# Altium PCB OZ440-SE100-CAR003.PcbDoc (part 2 of 5)
Units mm, origin at the board's own origin, x right, y up, seen from the top; angles counter-clockwise.
Board outline 187.5 x 145 mm, 6 copper layers (Top Layer, Mid-Layer 1, Mid-Layer 2, Mid-Layer 3, Mid-Layer 4, Bottom Layer), stack 1.444 mm thick; 326 components, 302 nets, 1483 pads, 1041 vias.
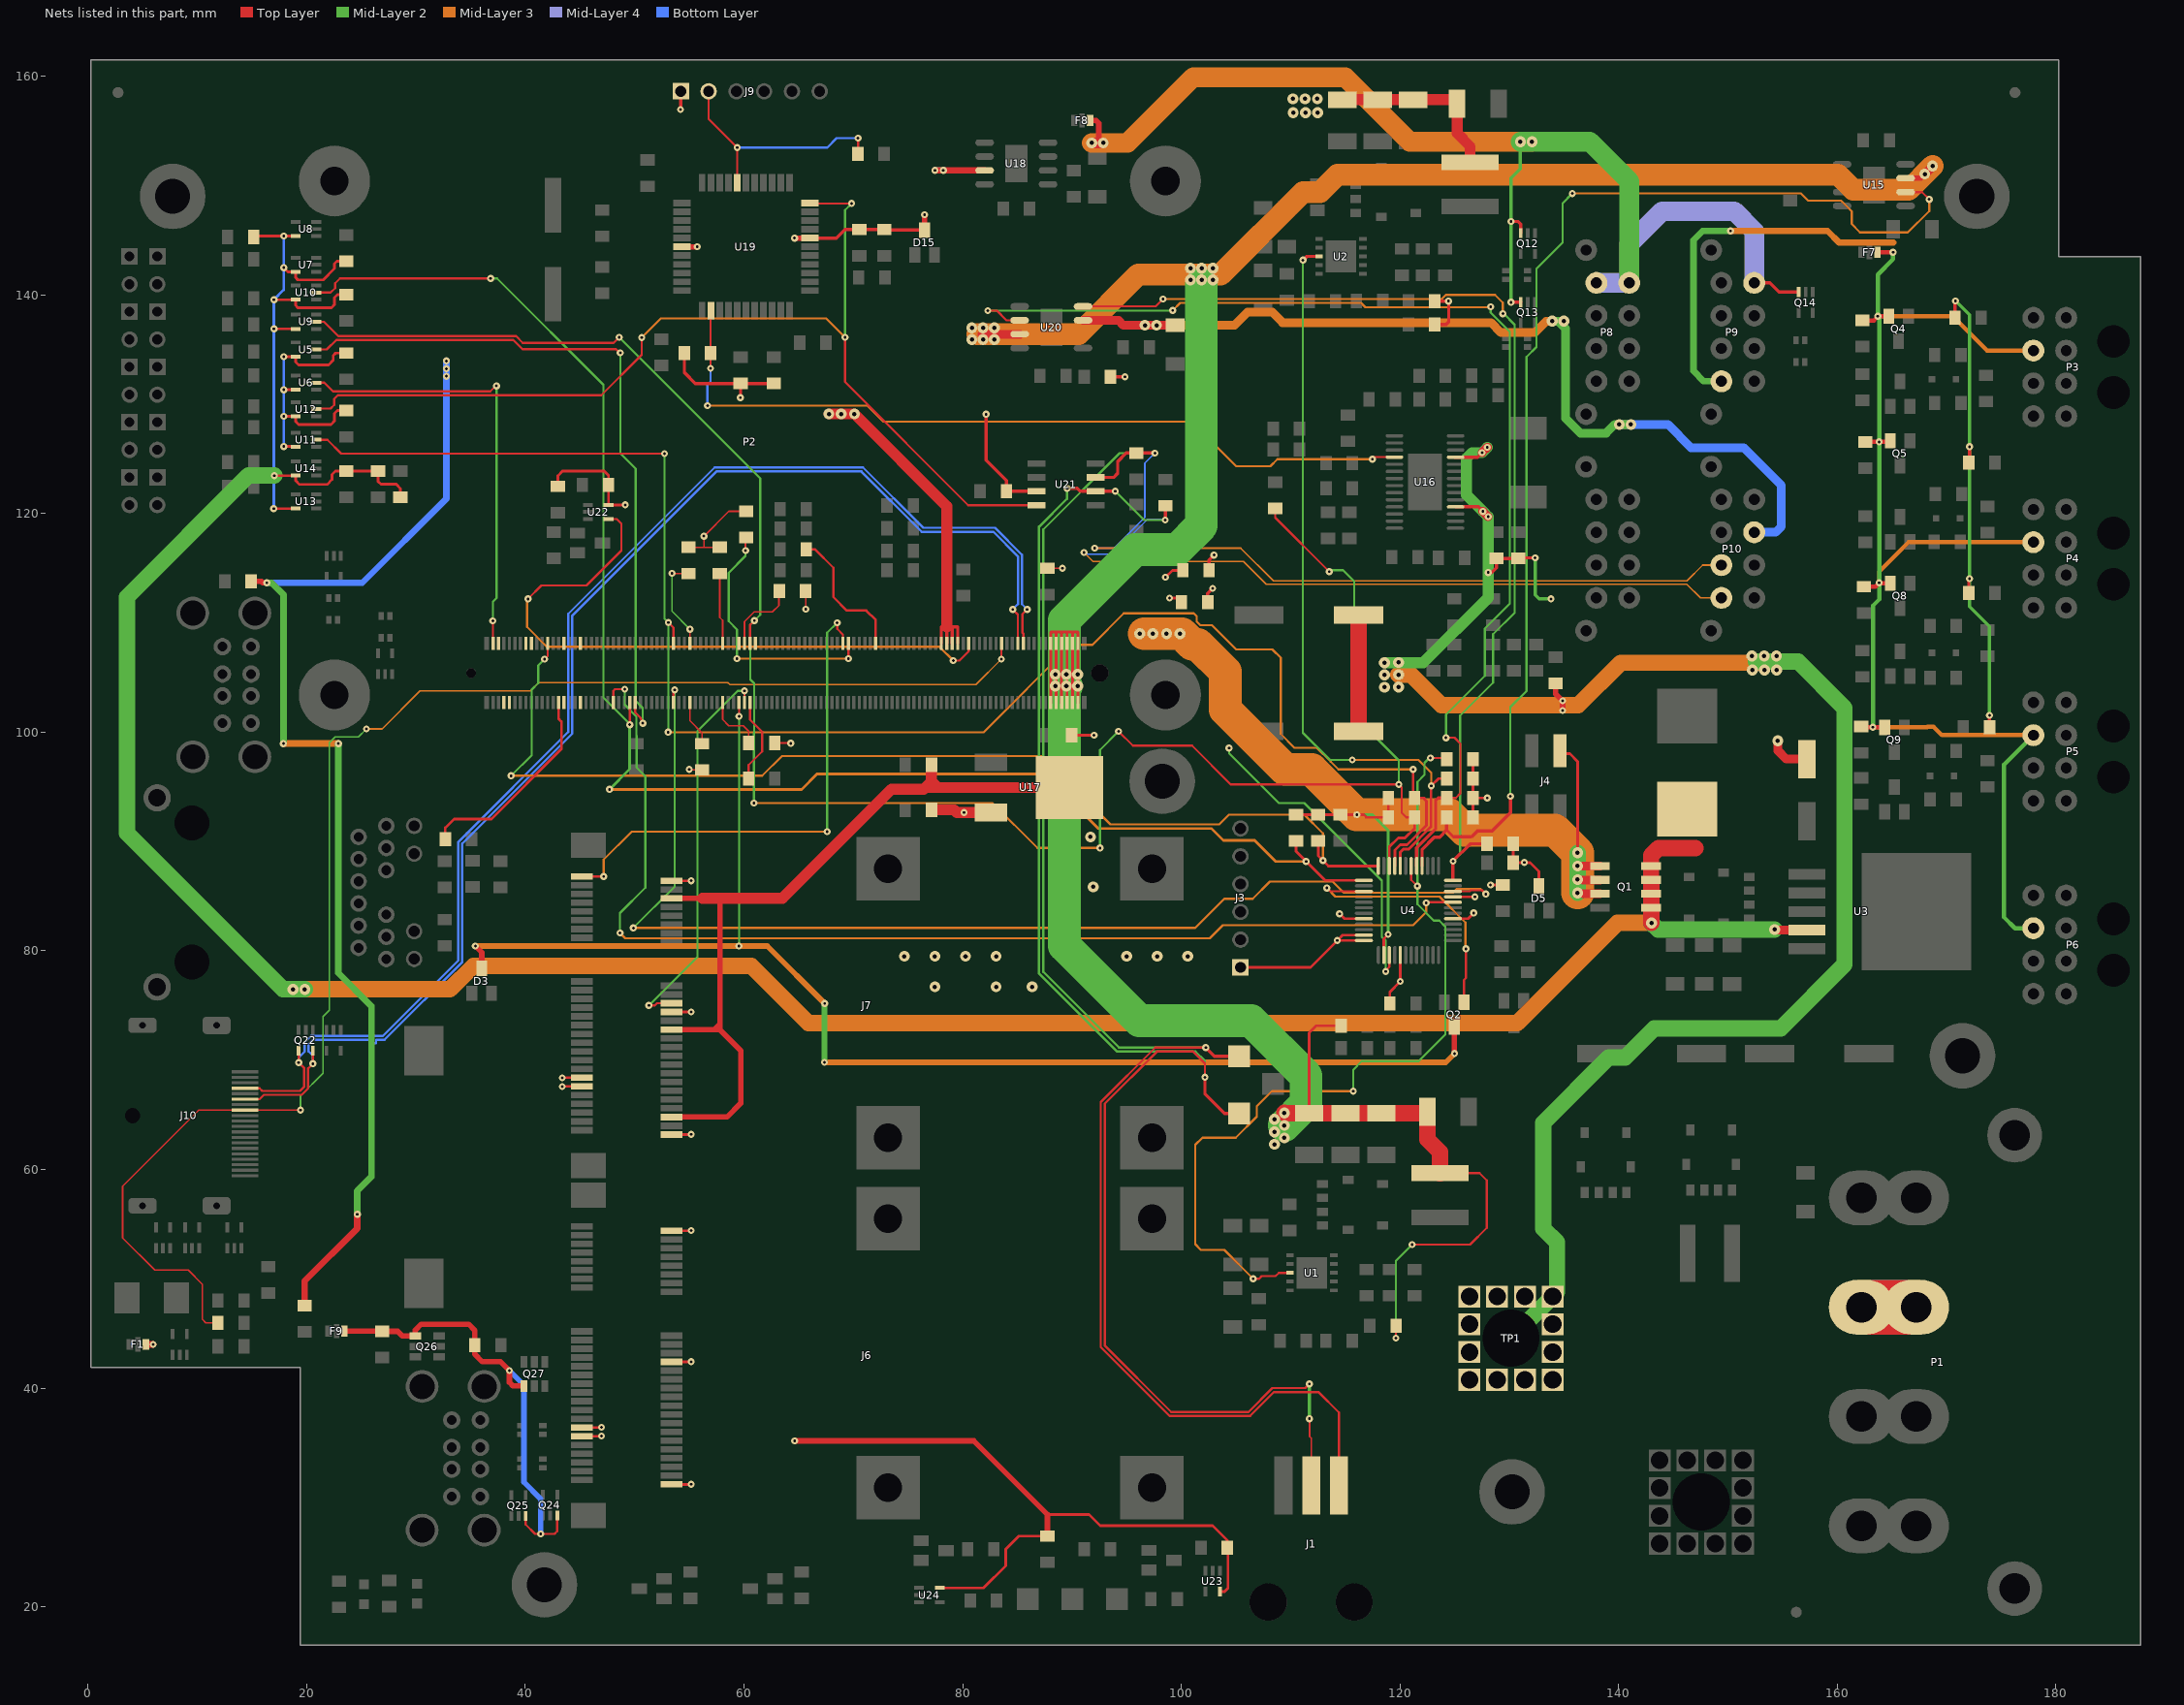
[diagram p6: the nets of this part, all layers, seen from the top]

## Part data
C1 C2 C3 C12 C13 C14 C23 C24 C25: library part C3216X7S2A225Kxxx, "1206 2.2uF / 100V X7S ceramic capacitor"
C4 C15 C27 C28 C29 C30 C31 C32 C33 C34 C35 C36 C37 C44 C47 C48 C49 C54 C55 C59 C62 C63 C66 C67 C68 C69 C70 C71 C72 C73 C74 C75 C78 C79 C80 C81: library part VJ0805Y104KXAxx, "0805 100nF / 50V  X7R ceramic capacitor"
C5 C6 C7 C8 C16 C17 C18 C19: library part 1210YC226KAT2A, "1210 22uF / 16V X7R ceramic capacitor"
C9 C10 C21 C45 C51 C52 C53: library part VJ0805Y103KXAxx, "0805 10nF / 50V X7R ceramic capacitor"
C11 C22: library part C0805C330J5GACxx, "0805 33pF / 50V COG ceramic capacitor"
C20: library part C0805C682J5GACxx, "0805 6.8nF / 50V COG ceramic capacitor"
C26: library part B41142A4227M, "220uF/16V Aluminium capacitor SMD"
C38 C56 C64: library part C1206C106K3RACxx, "1206 10uF / 25V X7R ceramic capacitor"
C39 C57 C65: library part C0805C105K4RACxx, "0805 1uF / 16V X7R ceramic capacitor"
C40 C41 C42 C43: library part VJ0805Y102KXBxx, "0805 1nF / 100V X7R ceramic capacitor"
C46 C50 C76 C77: library part EEE2AA330P, "33uF / 100V Aluminium capacitor SMD"
C58 C60: library part C0805C150J5GACxx, "0805 15pF / 50V COG ceramic capacitor"
C61: library part C0805C106K9PACxx, "0805 10uF / 6.3V X5R ceramic capacitor"
Cent1 Cent2 Cent3: library part "SMD centering pad", "SMD centering pad"
D1 D2 D4 D19 D20: library part MBR5100MFS, "Power shottky Diode"
D3 D5 D15: library part BAS16, "100V / 120mA signal  diode"
D6 D8 D9 D10: library part WP934MD/2YD, "Dual Yellow led indicator"
D7: library part WP934MD/2GD, "Dual green led indicator"
D11 D12 D13 D14: library part BZX384C4V7, "4.7V zener diode"
D16: library part MBRS140, "1A/40V shottky diode in SMB package"
D17 D18: library part KP-1608SGC, "SMD Green LED 0603"
F1 F7 F8 F9: library part NFM18PC225B0J3, "2A LC filter"
F2 F3 F4 F5: library part MF-PSMF050X-2, "0805 500mA resettable fuse"
F6: library part "MC12CT 004", "1206 4A 63V temporisé"
J1: library part 0015913033, "3 pin , 2.54mm SMD header"
J2: library part 1081, "20mm battery Holder, SMT"
J3 J9: library part 68000-406HLF, "6P, 1 row, 2.54mm header"
J4: library part 1241050-2, "4P, 2 rows, 2.54mm header"
J5: library part JK0654218Z, "Gigabit ethernet xformer with connector"
J6 J7: library part 67910-0002, "miniPCI / mSATA connector"
J8 J11: library part 72309-8044BLF, "Dual USB Type A connector"
J10: library part DP1RD20JQ1, "Display port PCB connector"
L1 L11: library part XAL6060-153ME, "15uH SMD inductor"
L2: library part XAL6060-822ME, "8.2uH SMD inductor"
L3: library part MSS1260-334KL, "330uH SMD inductor"
L4 L5 L6 L7 L8 L9 L10: library part EXC34CE900, "USB common mode inductor"
P1: library part 42820-4213, "4 pin power connector, RA"
P2: library part 3-1827253-6, "type 10 com express connector"
P3 P4 P5 P6: library part 43045-0801, "8 pin Microfit connector"
P7 P8 P9 P10: library part 43045-0812, "8 pin Microfit connector"
Q1: library part IRF7821PBF, "11A N channel MOSFET in SO08 package"
Q2 Q3 Q6 Q7 Q10 Q11 Q23 Q28 Q29 Q30 Q31: library part 2N7002, "N-Channel Enhancement Mode Field Effect Transistor"
Q4 Q5 Q8 Q9: library part BSS84, "P-Channel Enhancement Mode Field Effect Transistor"
Q12 Q13 Q14 Q15 Q16 Q17 Q18 Q19 Q20 Q21 Q22 Q24 Q25: library part SP3003-02JTG, "Low capacitance ESD TVS"
Q26 Q27: library part IRMLS6702TRPBF, "2A P channel MOSFET in MICRO6 package"
R1 R2 R3 R5 R9 R12 R13 R14 R15 R16 R17 R18 R19 R21 R22 R23 R26 R27 R28 R29 R42 R50 R57 R60 R63 R64 R66 R68 R69 R70 R71 R72 R81 R82 R85 R87 R88 R89 R90 R92 R93 R94 R95 R103 R106 R107 R108: library part CRCW080510K0FKxx, "10k Ohm 0805 SMD resistor"
R4: library part CRCW0805140KFKxx, "140k Ohm 0805 SMD resistor"
R6 R10: library part CRCW0805160KFKxx, "160k Ohm 0805 SMD resistor"
R7 R67: library part CRCW080516K2FKxx, "16k2 Ohm 0805 SMD resistor"
R8: library part CRCW080553K6FKxx, "53k6 Ohm 0805 SMD resistor"
R11: library part CRCW080513K3FKxx, "13k3 Ohm 0805 SMD resistor"
R20: library part CRCW08054K70FKxx, "4,7k Ohm 0805 SMD resistor"
R24 R25 R74 R83 R84 R100 R113: library part CRCW08051K00FKxx, "1k Ohm 0805 SMD resistor"
R30 R31 R32 R33 R34 R35 R36 R37 R38 R39 R40 R48 R53 R58 R61 R97 R99 R105 R114: library part CRCW080559R0FKxx, "59 Ohm 0805 SMD resistor"
R41: library part CRCW08050000Z0xx, "0 Ohm 0805 SMD resistor"
R43: library part CRCW0805220KFKxx, "220k Ohm 0805 SMD resistor"
R44 R45 R46 R47 R49 R51 R52 R54 R55 R56 R59 R62 R76 R79 R80: library part CRCW080520K0FKxx, "20k Ohm 0805 SMD resistor"
R65 R101: library part CRCW08051M00FKxx, "1Mohm 1% 0805 SMD resistor"
R73: library part CRM2512-JX-R200ELF, "0.2R 1% 2512 SMD resistor"
R75 R77 R78 R96 R104 R111 R112: library part CRCW0805100KFKxx, "100k Ohm 0805 SMD resistor"
R86: library part CRCW0805330KFKxx, "330k Ohm 0805 SMD resistor"
R91 R98 R109 R110 R115: library part CRCW0805300RFKxx, "300 ohm 0805 SMD resistor"
R102: library part CRCW08055M11FKxx, "5.11Meg Ohm 0805 SMD resistor"
RX TP5 TP6 TP7 TP_GND_CAN TX: library part "SMD Pad", "SMD Pad for wire soldering"
SN1: library part "Serial Number", "serial number copper identification"
Stack-up: library part "6 Layers Stackup", "6 Layers Stackup identification"
TP1 TP2: library part 7460408, "Bush with threaded hole M5"
U1 U2: library part TPS54361DPRx, "4.5-V to 60-V Input, 3.5-A, Step Down DC-DC Converter"
U3: library part TL2575HV-33-Q1, "1-A SIMPLE STEP-DOWN VOLTAGE REGULATOR"
U4: library part ispPAC-POWR1014A-01TN48I, "ispPAC power manager"
U5 U6 U7 U8 U9 U10 U11 U12 U13 U14 U22 U23 U24: library part 74LVC1G14GW, "smith trigger inverter"
U15 U18 U20: library part TPS2421-2DDA, "20V-5A Hot plug controller with integrated FET, auto retry"
U16: library part DRV8842PWPR, "DC MOTOR DRIVER IC"
U17: library part NCP1117DT15RKG, "1.0 A Low-Dropout Positive Voltage Regulators"
U19: library part PIC18F45K80-I/PT, "Pic microcontroller with embeded CAN controller"
U21: library part MCP2561-E/SN, "CAN transceiver with common mode stabilisation"
Y1: library part ABLS2-16.000MHZ-D4Y-T, "16Mhz Crystal / low profile 3.3mm"

## Free pads (board coordinates)
  round 6 hole 3.2: 0(7.754,149.01) 0(41.754,22.01) 0(98.254,95.51) 0(130.254,30.51) 0(171.45,70.403) 0(172.754,149.01)

## Via types
v1: diameter 0.65, hole 0.25, Top Layer to Bottom Layer, tented both sides, 815 vias
v2: diameter 1, hole 0.4, Top Layer to Bottom Layer, tented both sides, 222 vias
v3: diameter 1.1, hole 1.1, Top Layer to Bottom Layer, tented both sides, 2 vias
v4: diameter 1.6, hole 1.6, Top Layer to Bottom Layer, tented both sides, 2 vias

## Nets (pads, with @x,y where several pads share a name; then routed paths per layer and width w, separated by ;. In a path a pad name is that pad's centre, name@x,y a point inside that pad or via, vN(x,y) a via of type N, cw(c..) or ccw(c..) an arc to the next point about the centre after c; other vN are vias at no path point)
1V5: C55.2 J7.6 J7.28 J7.48 U17.4 | length 75.3
  Top Layer w0.5: J7.48@53.376,64.803 58.453,64.803 59.715,66.065 59.715,70.871 57.81,72.776 ; J7.28@53.376,72.803 57.302,72.803 ; J7.6@53.376,84.803 56.203,84.803 ; 57.81,84.803 57.81,73.311 ; 57.302,72.803 57.783,72.803 57.81,72.776 ; 57.302,72.803 57.81,73.311 ; 57.81,72.776 57.81,73.311
  Top Layer w1: 56.203,84.803 57.81,84.803 63.518,84.803 73.508,94.793 76.435,94.793 76.581,94.939 ; C55.2@77.146,97.019 77.146,95.504 ; U17.4@89.775,94.939 77.711,94.939 ; 76.581,94.939 77.146,95.504 ; 76.581,94.939 77.711,94.939 ; 77.146,95.504 77.711,94.939
  other v2: 77.47,76.708 83.058,76.708 86.36,76.708 74.676,79.502 77.47,79.502 80.264,79.502 83.058,79.502 94.996,79.502 97.79,79.502 100.584,79.502 91.948,85.852 91.694,90.424
5V_EN: R16.2 U2.3 U4.8 | length 69.8
  Top Layer w0.25: U4.8@120.027,87.768 120.027,89.02 120.32,89.313 120.809,89.313 122.834,91.338 122.834,95.072 v1(122.86,95.098) 123.52,95.758 R16.2@124.276,95.758
  Top Layer w0.3: v1(111.125,143.18) 111.15,143.18 111.492,143.521 U2.3@112.605,143.521
  Mid-Layer 2 w0.2: v1(111.125,143.18) 111.125,99.949 113.614,97.46 v1(115.646,97.46)
  Mid-Layer 3 w0.2: v1(115.646,97.46) 121.691,97.46 122.86,96.291 v1(122.86,95.098)
5V_USB: F8.2 P8.1 P8.5 P9.1 Q12.3 Q13.3 Q14.3 | length 116.6
  Top Layer w0.3: v1(130.16,139.319) 130.16,139.344 130.172,139.332 Q13.3@131.045,139.332 ; v1(130.16,146.71) 130.81,146.71 131.045,146.475 Q12.3@131.045,145.654 ; P9.1@152.4,141.097 153.848,141.097 154.686,140.259 Q14.3@156.459,140.259
  Top Layer w0.5: F8.2@91.657,155.956 92.202,155.956 92.456,155.702 92.456,154.013 92.342,153.899 92.329,153.886
  Top Layer w1: v2(91.821,153.899) 92.342,153.899 v2(92.862,153.899)
  Mid-Layer 2 w0.3: v1(130.16,139.319) v1(130.16,146.71) 130.16,150.683 131.013,151.536 v2(131.013,154)
  Mid-Layer 2 w1.8: v2(131.013,154) v2(132.08,154) 137.363,154 140.97,150.393 P8.1@140.97,141.097
  Mid-Layer 3 w1.8: v2(91.821,153.899) v2(92.862,153.899) 95.098,153.899 101.092,159.893 114.986,159.893 120.879,154 v2(131.013,154) v2(132.08,154)
  Mid-Layer 4 w1.8: P8.5@137.97,141.097 P8.1@140.97,141.097 140.97,144.653 143.967,147.65 150.571,147.65 152.4,145.821 P9.1@152.4,141.097
12V_CAN: C64.2 P10.2 U20.7 | length 89.3
  Top Layer w0.8: U20.7@91.017,137.674 94.253,137.674 94.707,137.221 v2(96.672,137.221) v2(97.739,137.221) C64.2@99.441,137.221
  Mid-Layer 2 w0.8: v2(133.934,137.592) 134.468,137.592 ; v2(135.001,137.592) 134.468,137.592 ; v2(141.122,128.143) v2(140.056,128.143) 139.649,128.143 138.862,127.356 136.509,127.356 135.128,128.736 135.128,136.931 134.468,137.592
  Mid-Layer 3 w0.8: v2(96.672,137.221) v2(97.739,137.221) 104.864,137.221 106.073,138.43 108.306,138.43 109.271,137.465 128.321,137.465 129.235,136.55 132.334,136.55 133.375,137.592 v2(133.934,137.592) v2(135.001,137.592)
  Bottom Layer w0.8: v2(140.056,128.143) v2(141.122,128.143) 144.501,128.143 146.623,126.021 151.435,126.021 154.889,122.566 154.889,118.821 154.353,118.285 P10.2@152.4,118.285
12V_CAN_EN: R18.2 U4.5 U20.2 | length 107.8
  Top Layer w0.2: v1(82.296,138.549) 83.142,138.549 84.017,137.675 U20.2@85.217,137.675 ; v1(124.206,99.492) 124.993,99.492 125.527,98.958 125.527,94.412 125.095,93.98 R18.2@124.276,93.98
  Top Layer w0.3: U4.5@121.527,87.768 121.527,89.43 123.259,91.162 123.259,93.745 123.495,93.98 R18.2@124.276,93.98
  Mid-Layer 2 w0.2: v1(82.296,138.549) 99.212,138.549 v1(99.212,138.582) ; v1(124.206,99.492) 124.206,101.6 127.762,105.156 127.762,109.483 130.048,111.769 130.048,136.627 128.295,138.379 v1(128.295,138.913) v1@128.27,138.887
  Mid-Layer 3 w0.2: v1(99.212,138.582) 99.898,139.268 116.434,139.268 116.846,138.856 124.673,138.856 124.679,138.862 v1@128.295,138.862 ; v1@128.27,138.887 v1(128.295,138.913)
  Bottom Layer w0.2: v1(82.296,138.549) v1@82.329,138.582
12V_CAN_PG_1: R93.2 U4.48 U20.8 | length 98.6
  Top Layer w0.2: U20.8@91.017,138.944 97.644,138.944 v1(98.323,139.624)
  Top Layer w0.3: U4.48@124.852,86.443 v1(124.852,88.2) 126.441,89.789 R93.2@127.959,89.789
  Mid-Layer 2 w0.2: v1(124.852,88.2) 125.501,88.849 125.501,101.513 128.524,104.536 128.524,108.966 130.486,110.928 130.486,137.281 129.464,138.303 129.438,138.278 v1(129.413,138.278)
  Mid-Layer 3 w0.2: v1(98.323,139.624) 123.814,139.624 124.196,140.006 128.701,140.006 129.413,139.294 v1(129.413,138.278)
12V_EN: R15.2 U1.3 U4.6 | length 78.9
  Top Layer w0.2: v1(106.578,50.003) 107.118,50.003 107.356,50.241 108.61,50.241 108.915,50.546 U1.3@109.944,50.546 ; U4.6@121.027,87.768 121.027,86.491 v1(121.59,85.928) ; v1(122.784,97.638) 124.172,97.638 R15.2@124.276,97.534
  Mid-Layer 2 w0.2: v1(115.722,67.158) 115.723,69.113 116.511,69.901 121.717,69.901 124.155,72.339 124.155,82.22 123.596,82.779 123.078,82.779 121.59,84.267 v1(121.59,85.928) 121.59,95.453 122.25,96.114 122.25,97.206 122.682,97.638 v1(122.784,97.638)
  Mid-Layer 3 w0.2: v1(106.578,50.003) 103.927,52.654 101.786,52.654 101.27,53.17 101.27,62.255 101.93,62.916 104.978,62.916 106.909,64.846 106.909,65.786 108.28,67.158 v1(115.722,67.158)
12V_SENSOR: F7.2 P3.6 P4.6 P5.6 P6.6 P9.8 Q4.2 Q5.2 Q8.2 Q9.2 R44.2 R45.2 R51.2 R52.2 | length 156.8
  Top Layer w0.4: R52.2@162.179,100.512 162.247,100.444 Q9.2@164.327,100.444 ; R44.2@162.306,137.668 163.339,137.668 163.709,138.038 Q4.2@164.708,138.038 ; R51.2@162.433,113.308 163.478,113.308 163.791,113.621 Q8.2@164.835,113.621 ; R45.2@162.56,126.555 v1(163.83,126.555) Q5.2@164.736,126.555 ; F7.2@163.666,143.891 v1(165.1,143.891)
  Mid-Layer 2 w0.4: v1(163.25,100.457) 163.25,111.561 163.83,112.141 v1(163.83,113.665) v1(163.83,126.555) 163.83,137.922 v1(163.703,138.049) 163.703,141.859 165.1,143.256 v1(165.1,143.891) ; P6.6@177.935,82.073 176.245,82.073 175.26,83.058 175.26,97.051 P5.6@177.935,99.726
  Mid-Layer 2 w0.6: P9.8@149.4,132.097 147.786,132.097 146.837,133.045 146.837,145.009 147.676,145.847 v1(150.241,145.847)
  Mid-Layer 3 w0.4: v1(163.25,100.457) 168.222,100.457 168.249,100.484 168.809,100.484 169.567,99.726 P5.6@177.935,99.726 ; v1(163.703,138.049) 170.561,138.049 173.705,134.905 P3.6@177.935,134.905 ; v1(163.83,113.665) 163.83,114.681 166.528,117.379 P4.6@177.935,117.379
  Mid-Layer 3 w0.6: v1(150.241,145.847) 159.106,145.847 160.172,144.78 165.1,144.78
12V_SENSOR_EN: R17.2 U4.4 U15.2 | length 110.8
  Top Layer w0.2: U15.2@166.243,149.404 167.74,149.404 v1(168.402,148.742)
  Top Layer w0.3: U4.4@122.027,87.768 122.027,89.294 123.132,90.399 123.636,90.399 124.276,91.038 ; R17.2@124.276,92.216 124.276,91.038 ; v1(130.099,94.132) 130.099,92.634 128.422,90.957 127.076,90.957 126.543,90.424 124.89,90.424 124.276,91.038
  Mid-Layer 2 w0.2: v1(130.099,94.132) 130.099,102.286 131.572,103.759 131.572,134.318 132.48,135.227 132.48,142.386 134.874,144.78 134.874,148.387 v1(135.763,149.276)
  Mid-Layer 3 w0.2: v1(135.763,149.276) 156.667,149.276 157.328,148.615 160.35,148.615 161.315,147.65 161.315,146.482 162.077,145.72 166.446,145.72 168.402,147.676 v1(168.402,148.742)
24V_POWER_1: C46.1 C47.2 C50.1 F2.1 P1.2 R65.2 TP1.1 U16.4 U16.11 | length 182.9
  Top Layer w0.3: U16.11@125.019,125.158 U16.11@125.095,125.158 127.118,125.158 127.508,125.548 v1(127.508,125.573) ; U16.4@125.095,120.608 127.194,120.608 127.584,120.218 v1(127.584,120.193) ; v1(128.068,114.605) 128.397,114.605 128.841,115.049 R65.2@128.841,115.894 C47.2@130.81,115.894 130.867,115.951 v1(132.359,115.951) ; v1@133.801,112.198 v1(133.807,112.192)
  Top Layer w0.5: F2.1@134.239,104.394 134.239,103.505 v1(134.874,102.87) v1(134.874,101.981)
  Top Layer w0.8: v1(127.508,125.573) 127.51,125.573 v1(127.992,126.056) ; v1(127.584,120.193) 127.586,120.193 v1(128.068,119.71)
  Top Layer w1.5: C50.1@116.205,100.06 C46.1@116.205,110.728
  Mid-Layer 2 w0.3: v1(132.359,115.951) 132.359,112.573 132.74,112.192 v1(133.807,112.192)
  Mid-Layer 2 w1: v2(118.593,106.35) 122.123,106.35 128.068,112.295 v1(128.068,114.605) v1(128.068,119.71) 128.067,119.71 v1(127.584,120.193) ; v1@127.586,120.193 v1(127.584,120.193) ; v1(127.992,126.056) 127.51,125.573 v1(127.508,125.573) 126.589,125.573 126.086,125.07 126.086,121.691 v1(127.584,120.193)
  Mid-Layer 2 w1.5: TP1.1@130.16,44.577 TP1.1@133.97,48.387 134.366,48.783 134.366,53.34 133.096,54.61 133.096,64.262 139.065,70.231 140.589,70.231 143.256,72.898 154.812,72.898 160.655,78.741 160.655,102.205 156.409,106.451 152.578,106.451
  Mid-Layer 3 w1.5: v2(119.863,105.258) 121.006,105.258 123.8,102.464 136.296,102.464 140.183,106.35 152.908,106.35
  other v2: 118.593,104.115 119.863,104.14 118.593,105.232 152.222,105.689 153.34,105.689 154.457,105.689 119.863,106.375 152.197,106.959 153.314,106.959 154.432,106.959
+3V3: C29.2 C32.2 C54.2 C75.2 C78.2 C80.1 C81.1 F1.1 J4.1 J6.2 J6.24 J6.39 J6.41 J6.52 J7.2 J7.24 J7.39 J7.41 J7.52 Q1.1 Q1.2 Q1.3 R3.2 R12.1 R21.1 R22.1 R23.1 R26.1 R27.1 R28.2 R29.2 R81.1 R87.1 R89.2 R100.2 R103.2 R106.2 U4.26 U5.5 U6.5 U11.5 U12.5 U17.3 U22.5 U23.5 U24.5 | length 239.9
  Top Layer w0.15: R89.2@54.921,116.91 56.337,116.91 ; v1(54.991,96.596) 55.034,96.553 R106.2@56.179,96.553 ; R87.1@57.785,116.91 56.337,116.91 ; R28.2@60.197,120.199 58.604,120.199 v1(56.337,117.932) 56.337,116.91 ; R81.1@62.82,99.009 64.084,99.009 64.16,99.085 64.16,99.111 v1(64.287,98.984) ; R12.1@65.646,112.903 65.646,111.265 v1(65.659,111.252) ; R29.2@87.757,114.992 89.097,114.992 89.154,114.935 89.179,114.935 v1(89.122,114.992)
  Top Layer w0.25: v1(17.907,126.136) 18.949,126.136 U11.5@18.989,126.096 ; v1(17.907,128.89) U12.5@18.989,128.89 18.989,128.433 19.279,128.143 22.225,128.143 22.555,128.473 22.555,129.165 22.803,129.413 C32.2@23.622,129.413 ; v1(17.907,131.32) U6.5@18.989,131.32 ; v1(17.907,134.351) U5.5@18.989,134.351 18.989,133.868 19.253,133.604 22.022,133.604 22.428,134.01 22.428,134.442 22.663,134.677 C29.2@23.622,134.677 ; R103.2@42.988,122.485 42.988,123.455 43.409,123.876 47.219,123.876 47.617,123.477 C75.2@47.617,122.625 47.621,122.621 U22.5@47.621,120.792 v1(49.149,120.792) ; v1(43.383,67.589) 43.397,67.603 J7.41@45.176,67.603 ; v1(43.383,68.389) 43.397,68.403 J7.39@45.176,68.403 ; J6.41@45.176,35.603 46.955,35.603 v1(46.969,35.617) ; J6.39@45.176,36.403 46.955,36.403 v1(46.969,36.417) ; J6.52@53.376,31.203 55.155,31.203 v1(55.169,31.217) ; J6.24@53.376,42.403 55.155,42.403 v1(55.169,42.417) ; J6.2@53.376,54.403 55.155,54.403 v1(55.169,54.417) ; J7.52@53.376,63.203 55.155,63.203 v1(55.169,63.217) ; J7.24@53.376,74.403 55.155,74.403 v1(55.169,74.417) ; J7.2@53.376,86.403 55.155,86.403 v1(55.169,86.417) ; U24.5@77.912,21.732 81.93,21.732 83.947,23.749 83.947,25.273 85.147,26.473 C78.2@87.757,26.473 ; 87.757,28.448 91.567,28.448 92.583,27.432 102.87,27.432 104.197,26.105 R100.2@104.197,25.4 104.267,25.33 104.267,21.717 103.952,21.402 U23.5@103.52,21.402 ; R3.2@89.973,99.726 91.104,99.726 91.135,99.695 91.161,99.72 v1(92.024,99.72) ; v1(98.552,114.173) 99.187,114.808 C80.1@100.146,114.808 ; v1(98.933,112.268) 99.638,112.268 C81.1@100.019,111.887 ; R21.1@110.49,92.452 R22.1@112.522,92.452 R23.1@114.554,92.452 v1(116.053,92.452) 116.692,92.452 116.928,92.216 R26.1@118.942,92.216 R27.1@118.942,93.98 ; U4.26@118.527,79.618 118.527,81.113 v1(118.923,81.509) ; J4.1@134.493,98.026 135.527,98.026 136.246,97.307 v2(136.246,88.976)
  Top Layer w0.5: v1(64.643,35.179) 81.026,35.179 87.757,28.448 C78.2@87.757,26.473
  Top Layer w0.6: F1.1@5.297,44.003 v1(5.969,44.003)
  Top Layer w0.8: v2@136.728,85.217 Q1.3@138.291,85.217 ; v2@136.728,86.487 Q1.2@138.291,86.487 ; v2@136.728,87.757 Q1.1@138.291,87.757
  Top Layer w1: C54.2@77.146,92.899 79.211,92.899 79.456,92.654 v1(80.137,92.654) U17.3@82.595,92.654
  Mid-Layer 2 w0.15: v1@54.94,96.596 v1(54.991,96.596)
  Mid-Layer 2 w0.25: v1(116.053,92.452) 117.479,92.452 118.923,91.008 v1(118.923,81.509)
  Mid-Layer 2 w1.5: v2(136.246,85.295) v2(136.246,86.514) v2(136.246,87.757) v2(136.246,88.976)
  Mid-Layer 3 w3: v2@96.596,109.017 v2(97.409,109.017) v2(98.652,109.017) v2(99.871,109.017) 100.039,109.017 101.018,108.038 101.512,108.038 104.013,105.537 104.013,102.083 109.502,96.593 111.911,96.593 v1(116.053,92.452) 124.515,92.452 125.933,91.034 134.188,91.034 v2(136.246,88.976) v2(136.246,87.757) v2(136.246,86.514) v2(136.246,85.295)
  Bottom Layer w0.25: v1(17.907,126.136) v1(17.907,128.89) v1(17.907,131.32) v1(17.907,134.351)
  other v2: 96.19,109.017
+3V3_PERM: C26.1 C28.2 C30.2 C31.2 C33.2 D5.3 J3.1 L3.2 Q1.5 Q1.6 Q1.7 Q1.8 R14.1 R15.1 R16.1 R17.1 R18.1 R34.1 R42.1 R64.2 R82.2 R93.1 U3.4 U4.20 U4.23 U4.24 U4.29 U4.41 U4.45 U7.5 U8.5 U9.5 U10.5 U13.5 U14.5 | length 325.3
  Top Layer w0.25: R34.1@15.17,145.288 15.17,145.378 v1(17.907,145.378) U8.5@18.989,145.378 ; v1(16.993,120.447) 18.985,120.447 U13.5@18.989,120.451 ; v1(17.018,136.891) U9.5@18.989,136.891 ; v1(17.018,139.558) U10.5@18.989,139.558 18.989,139.05 19.202,138.836 22.276,138.836 22.555,139.116 22.555,139.751 22.815,140.011 C31.2@23.622,140.011 ; v1(17.044,123.469) U14.5@18.989,123.469 18.989,123.022 19.355,122.657 21.869,122.657 22.327,123.114 22.327,123.574 22.634,123.882 C33.2@23.622,123.882 R64.2@26.543,123.882 26.543,122.936 26.797,122.682 28.194,122.682 28.575,122.301 R82.2@28.575,121.482 ; v1(17.907,142.494) 18.303,142.098 U7.5@18.989,142.098 18.989,141.59 19.202,141.376 21.514,141.376 22.555,142.418 22.555,142.85 22.778,143.072 C30.2@23.622,143.072 ; J3.1@105.41,78.486 111.811,78.486 v1(114.268,80.943) ; v1(114.478,83.388) 114.923,82.943 U4.20@116.702,82.943 ; U4.24@116.702,80.943 v1(114.268,80.943) ; U4.23@116.702,81.443 114.768,81.443 v1(114.268,80.943) ; C28.2@119.069,75.184 119.069,76.245 v1(120.027,77.203) U4.29@120.027,79.618 ; U4.41@124.852,82.943 126.225,82.943 v1(126.746,83.464) ; U4.45@124.852,84.943 v1(126.848,84.943) ; R17.1@126.676,92.216 R18.1@126.676,93.98 ; R15.1@126.676,97.534 R16.1@126.676,95.758 R18.1@126.676,93.98 ; v1(127.991,93.98) R18.1@126.676,93.98 ; v1(128.282,86.03) 128.276,86.036 R14.1@129.413,86.036 ; R93.1@130.359,89.789 R42.1@130.359,88.068 v1@131.35,88.068 ; v1(131.369,88.087) v1@131.35,88.068 ; D5.3@132.715,85.943 132.715,87.274 131.921,88.068 v1@131.35,88.068
  Top Layer w0.8: v2(154.267,81.953) 154.267,81.895 U3.4@157.226,81.895 ; v2(154.559,99.202) 154.559,98.313 155.336,97.536 C26.1@157.226,97.536
  Top Layer w1.5: Q1.7@142.971,86.487 Q1.8@142.971,87.757 142.971,88.742 143.633,89.404 147.015,89.404 ; v2(143.002,82.55) Q1.7@143.002,86.456
  Mid-Layer 2 w1.5: v1(17.044,123.469) 14.681,123.469 3.581,112.37 3.581,90.754 17.856,76.479 v2(18.745,76.479) v2(19.837,76.479) ; v2(143.002,82.55) 143.599,81.953 v2(154.267,81.953)
  Mid-Layer 3 w1.5: v2(18.745,76.479) v2(19.837,76.479) 33.122,76.479 35.281,78.638 60.681,78.638 65.913,73.406 130.734,73.406 139.878,82.55 v2(143.002,82.55)
  Bottom Layer w0.25: v1(16.993,120.447) 17.018,120.447 v1(17.018,136.891) v1(17.018,139.558) 17.907,140.447 v1(17.907,142.494) v1(17.907,145.378)
+5V: C16.2 C17.2 C18.2 C19.2 C62.2 C63.2 C66.2 C80.2 C81.2 D15.3 F3.1 F5.1 J9.1 L2.2 P2.B84 P2.B85 P2.B86 P2.B87 R8.2 R48.2 R53.2 R58.2 R61.2 R85.1 R90.2 R92.2 R94.2 R95.2 U4.27 U18.3 U19.7 U19.28 U21.3 | length 287
  Top Layer w0.2: v1(118.694,78.105) 118.643,78.105 118.618,78.13 119.027,78.539 U4.27@119.027,79.618
  Top Layer w0.3: v1(54.204,156.947) 54.229,156.972 J9.1@54.229,158.623 ; R92.2@54.553,134.677 54.553,132.899 55.556,131.896 R94.2@59.69,131.896 ; v1(59.665,130.607) 59.69,130.632 R94.2@59.69,131.896 ; R95.2@62.738,131.896 R94.2@59.69,131.896 ; U19.7@66.029,145.199 68.466,145.199 69.247,145.98 C63.2@70.552,145.98 R90.2@72.838,145.98 72.895,145.923 D15.3@76.524,145.923 ; P2.B84@78.052,108.11 78.052,109.626 78.552,109.626 ; P2.B85@78.552,108.11 78.552,109.626 ; P2.B86@79.052,108.11 79.052,109.626 ; P2.B87@79.552,108.11 79.552,109.626 79.052,109.626 ; v1(82.144,129.083) 82.144,124.892 84.004,123.031 C66.2@84.004,122.035 U21.3@86.755,122.035 ; C62.2@93.529,132.506 v1(94.844,132.506) ; C81.2@102.419,111.887 102.419,112.706 v1(102.87,113.157) ; C80.2@102.546,114.808 102.546,115.754 v1(102.997,116.205) ; R85.1@123.171,137.287 124.206,137.287 124.46,137.541 124.46,139.406 v1(124.435,139.431) R8.2@123.171,139.431 ; R48.2@170.758,137.905 170.758,139.389 v1(170.815,139.446) ; R58.2@172.028,112.726 172.028,113.989 v1(172.085,114.046) ; R53.2@172.085,124.707 v1(172.085,126.111) ; R61.2@173.92,100.455 v1(173.92,101.543) ; 78.552,109.626 79.052,109.626
  Top Layer w0.5: F3.1@14.916,113.792 15.875,113.792 16.002,113.665 v1(16.358,113.665) ; U19.28@54.329,144.399 55.726,144.399 v1(55.733,144.405) ; v1(64.626,145.193) 64.632,145.199 U19.7@66.029,145.199 ; v1(76.518,147.326) 76.524,147.32 D15.3@76.524,145.923
  Top Layer w0.6: F5.1@19.812,47.555 19.812,49.784 24.638,54.61 v1(24.638,55.905) ; v1(77.47,151.384) v1(78.232,151.384) U18.3@82.016,151.384
  Top Layer w1: v2(67.767,129.108) v2(68.885,129.108) v2(70.104,129.108) 78.552,120.66 78.552,109.626 ; C17.2@114.732,157.851 C16.2@117.971,157.851 124.861,157.851 C18.2@125.232,157.48 125.232,154.778 126.416,153.594 L2.2@126.416,152.122
  Mid-Layer 2 w0.2: v1(104.369,98.552) 104.369,98.069 108.915,93.523 111.252,93.523 118.348,86.427 118.348,81.27 118.694,80.924 v1(118.694,78.105)
  Mid-Layer 2 w0.3: v1(170.815,139.446) 172.085,138.176 v1(172.085,126.111) v1(172.085,114.046) 172.085,111.506 173.92,109.671 v1(173.92,101.543)
  Mid-Layer 2 w0.6: v1(16.358,113.665) 16.789,113.665 17.882,112.573 v1(17.882,98.958) ; v1(22.911,98.958) 22.911,77.978 25.933,74.955 25.933,59.334 24.638,58.039 v1(24.638,55.905) ; v1(77.47,151.384) v1(78.232,151.384)
  Mid-Layer 3 w0.6: v1(17.882,98.958) v1(22.911,98.958)
  Mid-Layer 4 w0.6: v1(77.47,151.384) v1(78.232,151.384)
  Bottom Layer w0.6: v1(16.358,113.665) 25.095,113.665 32.791,121.361 v1(32.791,132.563) v1(32.791,133.248) v1(32.791,133.96)
  other v2: 110.236,156.667 111.354,156.667 112.471,156.667 110.211,157.937 111.328,157.937 112.446,157.937
+12V: C5.2 C6.2 C7.2 C8.2 L1.2 P2.A104 P2.A105 P2.A106 P2.A107 P2.A108 P2.A109 P2.B104 P2.B105 P2.B106 P2.B107 P2.B108 P2.B109 R4.2 R20.2 U15.3 U20.3 | length 299.3
  Top Layer w0.2: v1(119.634,44.577) R4.2@119.634,45.706 ; v1(121.107,53.137) 126.416,53.137 127.94,54.661 127.94,59.009 127.283,59.666 L1.2@123.672,59.666
  Top Layer w0.25: P2.A104@88.052,102.71 P2.B104@88.052,108.11 88.052,109.169 88.552,109.169 ; P2.A105@88.552,102.71 P2.B105@88.552,108.11 88.552,109.169 ; P2.A106@89.052,102.71 P2.B106@89.052,108.11 89.052,109.169 ; P2.A107@89.552,102.71 P2.B107@89.552,108.11 89.552,109.169 ; P2.A108@90.052,102.71 P2.B108@90.052,108.11 90.052,109.169 ; P2.A109@90.552,102.71 P2.B109@90.552,108.11 90.552,109.169 90.052,109.169 ; C7.2@111.69,65.141 111.69,72.498 112.344,73.152 R20.2@114.617,73.152 ; 88.552,109.169 89.052,109.169 ; 89.052,109.169 89.552,109.169 ; 89.552,109.169 90.052,109.169
  Top Layer w0.5: U15.3@166.243,150.674 167.616,150.674 v2(167.996,151.054)
  Top Layer w0.8: v2@81.782,136.404 U20.3@85.217,136.404 ; v2@108.531,62.309 v2(108.534,62.306) ; v2(167.996,151.054) 168.707,151.765 v2(168.707,151.79)
  Top Layer w1.5: v2(109.423,65.176) 109.459,65.141 C7.2@111.69,65.141 C6.2@115.02,65.141 C5.2@118.294,65.141 C8.2@122.358,65.141 ; C8.2@122.495,65.278 122.495,62.763 123.672,61.586 L1.2@123.672,59.666
  Mid-Layer 2 w0.2: v1(119.634,44.577) 119.634,51.638 v1@121.146,53.15
  Mid-Layer 2 w3: v2(89.484,104.216) v2@89.306,104.038 ; v2@101.829,140.945 101.829,118.897 99.644,116.713 95.792,116.713 89.306,110.228 v2@89.306,104.038 ; v2(109.423,64.033) 111.404,66.015 111.404,68.58 106.375,73.609 96.164,73.609 89.306,80.467 v2@89.306,104.038
  Mid-Layer 3 w2: 81.356,136.423 90.627,136.423 96.063,141.859 103.607,141.859 111.125,149.377 112.674,149.377 114.275,150.978 160.096,150.978 161.468,149.606 166.522,149.606 v2(168.707,151.79)
  other v2: 109.423,62.89 108.534,63.449 108.534,64.592 88.468,104.216 90.526,104.216 88.468,105.283 89.484,105.283 90.526,105.283 80.848,135.915 81.864,135.915 82.906,135.915 80.848,136.982 81.864,136.982 82.906,136.982 100.838,141.376 101.854,141.376 102.895,141.376 100.838,142.443 101.854,142.443 102.895,142.443
+BATT: D3.3 P2.A47 Q2.3 | length 124.5
  Top Layer w0.2: v1(59.552,101.448) P2.A47@59.552,102.71
  Top Layer w0.5: v1(35.433,80.442) 36.017,79.858 D3.3@36.017,78.384 ; Q2.3@124.968,73.025 124.968,70.637 v1(124.993,70.612)
  Mid-Layer 2 w0.2: v1(59.538,80.442) 59.552,80.456 v1(59.552,101.448)
  Mid-Layer 2 w0.5: v1(67.361,69.799) 67.361,75.159 v1(67.386,75.184)
  Mid-Layer 3 w0.5: v1(35.433,80.442) v1(59.538,80.442) 62.128,80.442 v1(67.386,75.184) ; v1(67.361,69.799) 124.181,69.799 v1(124.993,70.612)
+BATT_HV: Q2.1 U4.15 | length 24.9
  Top Layer w0.2: v1(113.309,85.75) 113.617,85.443 U4.15@116.702,85.443 ; Q2.1@125.868,75.3 125.857,75.311 125.857,77.343 126.035,77.521 v1(126.035,80.188)
  Mid-Layer 3 w0.2: v1(113.309,85.75) 114.097,84.963 123.622,84.963 125.984,82.601 125.984,80.188 v1(126.035,80.188)
\ACT: P2.B2 U6.2 | length 40.8
  Top Layer w0.2: U6.2@20.889,131.97 21.624,131.97 22.419,131.175 36.789,131.175 37.363,131.75 v1(37.363,131.674) ; v1(37.033,110.185) 37.033,108.129 P2.B2@37.052,108.11
  Mid-Layer 2 w0.2: v1(37.033,110.185) 37.033,111.938 37.363,112.268 v1(37.363,131.674)
\BAT_LOW: P2.A27 R21.2 U4.13 U10.2 | length 147.8
  Top Layer w0.2: U10.2@20.889,140.208 22.2,140.208 22.606,140.614 22.606,141.055 23.055,141.503 v1(36.83,141.503) ; P2.A27@49.552,102.71 49.555,102.707 v1(49.555,100.686)
  Top Layer w0.25: R21.2@110.49,90.052 110.49,89.103 v1(111.417,88.176) 113.15,86.443 U4.13@116.702,86.443
  Mid-Layer 2 w0.2: v1(36.83,141.503) 37.414,141.503 47.142,131.775 47.142,103.149 49.581,100.711 v1(49.555,100.686)
  Mid-Layer 2 w0.25: v1(47.701,94.767) 49.555,96.622 v1(49.555,100.686)
  Mid-Layer 3 w0.25: v1(47.701,94.767) 65.278,94.767 66.675,96.164 87.427,96.164 92.394,91.198 102.731,91.198 103.835,90.094 106.705,90.094 108.623,88.176 v1(111.417,88.176)
\CB_RESET: P2.B50
\EXCD0_CCPE: P2.A49 R13.1 | length 7.9
  Top Layer w0.2: R13.1@60.42,95.758 60.42,96.996 61.671,98.247 61.671,100.025 60.552,101.144 P2.A49@60.552,102.71
\EXCD0_PERST: J7.22 P2.A48 | length 36.2
  Top Layer w0.2: v1(51.308,75.006) 51.841,75.006 52.038,75.203 J7.22@53.376,75.203 ; v1(60.046,103.784) 60.052,103.778 P2.A48@60.052,102.71
  Mid-Layer 2 w0.2: v1(51.308,75.006) 55.753,79.451 55.753,100.101 59.436,103.784 v1(60.046,103.784) v1@60.046,103.988
\EXCD1_CCPE: P2.B48 R12.2 | length 7.1
  Top Layer w0.15: P2.B48@60.052,108.11 60.052,110.115 60.935,110.998 62.611,110.998 63.195,111.582 63.195,112.852 R12.2@63.246,112.903
\EXCD1_PERST: P2.B47
\LINK100: P2.A4
\LINK1000: P2.A5
\LPC_DRQ0: P2.B8
\LPC_DRQ1: P2.B9
\LPC_FRAME: P2.B3
\MOTOR_FAULT_OD: R92.1 U16.18 U19.35 | length 74.4
  Top Layer w0.15: v1(56.947,133.274) 56.953,133.28 R92.1@56.953,134.677
  Top Layer w0.2: R92.1@56.953,134.677 56.953,138.523 U19.35@56.979,138.549 ; v1(117.475,124.968) v1@117.589,125.082 ; v1@117.514,125.158 v1@117.589,125.082 ; U16.18@119.495,125.158 117.665,125.158 v1@117.589,125.082
  Mid-Layer 3 w0.2: v1(56.667,129.87) 57.201,129.87 57.213,129.858 71.31,129.858 72.771,128.397 100.965,128.397 105.029,124.333 108.153,124.333 108.788,124.968 v1(117.475,124.968)
  Bottom Layer w0.2: v1(56.667,129.87) 56.667,131.75 56.947,132.029 v1(56.947,133.274)
\OC_0_1: P2.B44 R87.2 | length 6.5
  Top Layer w0.15: R87.2@57.785,114.51 57.785,110.49 58.052,110.223 P2.B44@58.052,108.11
\OC_2_3: P2.A44 R81.2 | length 5.5
  Top Layer w0.15: P2.A44@58.052,102.71 58.052,101.155 58.623,100.584 59.944,100.584 60.427,100.101 R81.2@60.427,99.009
\OC_4_5: P2.B38 R89.1 | length 8.6
  Top Layer w0.15: v1(53.416,114.529) 53.435,114.51 R89.1@54.921,114.51 ; P2.B38@55.052,108.11 v1@55.052,109.413
  Mid-Layer 2 w0.15: v1(53.416,114.529) 53.416,111.074 v1(55.067,109.423)
\OC_6_7: P2.A38 R106.1 | length 4.2
  Top Layer w0.15: P2.A38@55.052,102.71 55.052,101.056 56.179,99.929 R106.1@56.179,98.953
\PWR_BUTTON: P2.B12 R22.2 U4.12 | length 101.9
  Top Layer w0.2: v1(41.758,106.681) 42.052,106.976 P2.B12@42.052,108.11
  Top Layer w0.25: R22.2@112.522,90.052 112.522,88.697 v1(112.954,88.265) 113.451,87.768 U4.12@118.027,87.768
  Mid-Layer 2 w0.2: v1(38.71,96.012) 40.589,97.892 40.589,103.887 41.19,104.487 41.19,106.113 v1(41.758,106.681)
  Mid-Layer 3 w0.2: v1(38.71,96.012) 61.671,96.012 63.475,97.815 87.274,97.815 93.517,91.573 103.472,91.573 104.361,92.462 111.246,92.462 112.954,90.754 v1(112.954,88.265)
\R\E\S\E\T_PIC: J9.2 R91.2 U19.18 | length 22.3
  Top Layer w0.2: J9.2@56.769,158.623 56.769,156.083 v1(59.379,153.473) U19.18@59.379,150.249 ; R91.2@70.428,152.908 70.434,152.914 v1(70.434,154.33)
  Bottom Layer w0.2: v1(59.379,153.473) 67.621,153.473 68.478,154.33 v1(70.434,154.33)
\SATA_ACT: P2.A28 U5.2 | length 65.6
  Top Layer w0.2: U5.2@20.889,135.001 21.844,135.001 22.713,135.87 38.907,135.87 39.751,135.026 48.311,135.026 48.692,134.645 v1(48.692,134.696) ; P2.A28@50.052,102.71 50.052,101.815 50.546,101.321 v1(50.749,100.823)
  Mid-Layer 2 w0.2: v1(48.692,134.696) 48.692,125.501 50.089,124.104 50.089,102.87 50.749,102.21 v1(50.749,100.823)
\SMB_ALERT: P2.B15
\SOFT_OFF: P2.A24 U4.44 | length 104.5
  Top Layer w0.2: P2.A24@48.052,102.71 48.052,103.78 48.209,103.937 v1(49.098,103.937) ; v1(122.403,84.379) 122.467,84.443 U4.44@124.852,84.443
  Mid-Layer 2 w0.2: v1(48.666,81.636) 48.666,83.464 50.978,85.776 50.978,95.961 50.19,96.749 50.19,99.67 50.174,99.686 50.174,101.438 49.098,102.514 v1(49.098,103.937)
  Mid-Layer 3 w0.2: v1(48.666,81.636) 49.149,81.153 102.616,81.153 103.81,82.347 121.209,82.347 122.403,83.541 v1(122.403,84.379)
\SUS_S3: P2.A15
\SUS_S4: P2.A18
\SUS_STAT: P2.B18
\SYS_RESET: P2.B49 R26.2 R88.1 U4.10 U9.2 | length 192.5
  Top Layer w0.2: U9.2@20.889,137.541 21.59,137.541 22.911,136.22 39.167,136.22 39.776,135.611 48.082,135.611 v1(48.59,136.119) ; P2.B49@60.552,108.11 60.552,109.803 v1(60.96,110.211) ; v1(94.259,100.076) 95.575,98.76 100.986,98.76 104.521,95.225 v1(119.888,95.225) 120.167,94.945 120.167,92.634 120.585,92.216 R26.2@121.342,92.216 ; R88.1@108.585,120.466 108.585,119.634 v1(113.538,114.681)
  Top Layer w0.25: U4.10@119.027,87.768 119.027,89.512 119.837,90.322 120.447,90.322 121.342,91.218 R26.2@121.342,92.216
  Mid-Layer 2 w0.2: v1(48.59,136.119) 61.493,123.215 61.493,110.744 v1(60.96,110.211) 60.579,109.83 60.579,104.826 60.935,104.47 60.935,99.898 60.909,99.873 v1(60.909,93.523) ; v1(92.558,89.404) 92.558,98.374 v1(94.259,100.076) ; v1(113.538,114.681) 113.665,114.808 114.801,114.808 115.817,113.792 115.817,101.48 119.888,97.409 v1(119.888,95.225)
  Mid-Layer 3 w0.2: v1(60.909,93.523) 82.728,93.523 86.843,89.408 92.558,89.408 v1(92.558,89.404)
\THRM: P2.B35 R27.2 U4.9 U11.2 | length 154.4
  Top Layer w0.2: U11.2@20.889,126.746 21.895,126.746 23.165,125.476 v1(52.73,125.476) ; v1(53.086,110.033) 53.552,109.567 P2.B35@53.552,108.11 ; v1(121.209,96.596) 121.209,94.113 R27.2@121.342,93.98
  Top Layer w0.25: U4.9@119.527,87.768 119.527,89.213 120.027,89.713 120.643,89.713 122.434,91.504 122.434,93.72 122.174,93.98 R27.2@121.342,93.98
  Mid-Layer 2 w0.2: v1(52.73,125.476) 52.73,110.388 v1(53.086,110.033) 53.086,100.025 v1(53.061,100)
  Mid-Layer 3 w0.2: v1(53.061,100) 81.915,100 89.916,108.001 91.872,108.001 94.742,110.871 101.136,110.871 101.406,110.601 101.406,110.125 101.743,109.788 102.81,109.788 105.029,107.569 108.331,107.569 109.093,106.807 109.093,99.827 110.343,98.577 112.402,98.577 113.661,97.318 114.383,96.596 v1(121.209,96.596)
\THRM_TRIP: P2.A35 U4.46 | length 108.2
  Top Layer w0.2: P2.A35@53.552,102.71 53.552,103.692 53.696,103.835 v1(53.67,103.861) ; U4.46@124.852,85.443 126.362,85.443 126.467,85.547 127.519,85.547 127.864,85.203 v1(127.852,85.192)
  Mid-Layer 2 w0.2: v1(49.886,82.093) 53.67,85.877 v1(53.67,103.861)
  Mid-Layer 3 w0.2: v1(49.886,82.093) 101.27,82.093 103.937,84.76 106.528,84.76 108.102,86.335 113.843,86.335 114.864,85.313 124.835,85.313 125.171,85.649 127.395,85.649 v1(127.852,85.192)
\WAKE0: J7.1 P2.B66 | length 46.6
  Top Layer w0.2: J7.1@45.176,86.803 v1(47.179,86.803) ; v1(68.529,110.007) 68.529,109.449 69.052,108.926 P2.B66@69.052,108.11
  Mid-Layer 2 w0.2: v1(67.615,90.907) 67.615,109.093 v1(68.529,110.007)
  Mid-Layer 3 w0.2: v1(47.179,86.803) 47.179,88.352 49.733,90.907 v1(67.615,90.907)
\WAKE1: P2.B67 R28.1 | length 23.6
  Top Layer w0.2: v1(60.147,116.611) 60.147,117.749 R28.1@60.197,117.799 ; v1(69.552,106.731) P2.B67@69.552,108.11
  Mid-Layer 2 w0.2: v1(59.36,106.731) 59.36,109.398 58.598,110.16 58.598,114.579 60.147,116.129 v1(60.147,116.611)
  Mid-Layer 3 w0.2: v1(59.36,106.731) v1(69.552,106.731)
ALIM_USB: F9.2 Q24.3 Q25.3 Q26.4 Q27.4 R107.2 R108.2 | length 43.3
  Top Layer w0.21: Q25.3@40.035,28.321 40.035,27.529 40.894,26.67 v1(41.402,26.67) 42.672,26.67 42.919,26.917 Q24.3@42.919,28.353
  Top Layer w0.5: F9.2@23.458,45.212 26.915,45.212 R107.2@26.924,45.203 28.33,45.203 28.759,44.774 Q26.4@29.931,44.774 29.931,45.298 30.48,45.847 34.811,45.847 35.376,45.282 R108.2@35.376,43.942 35.376,43.11 36.068,42.418 37.737,42.418 v1(38.552,41.603) 38.552,40.529 38.878,40.203 Q27.4@39.878,40.203
  Bottom Layer w0.5: v1(38.552,41.603) 39.878,40.277 39.878,31.411 41.402,29.887 v1(41.402,26.67)
CAN_ACT: U12.2 U19.11 U21.4 | length 96.3
  Top Layer w0.2: U12.2@20.889,129.54 20.955,129.606 22.184,129.606 22.521,129.943 22.521,130.496 22.85,130.825 46.954,130.825 50.648,134.518 v1(50.648,136.093) ; U19.11@66.029,148.399 66.067,148.361 v1(69.85,148.361) ; v1(69.24,136.119) 69.24,132.029 80.505,120.765 U21.4@86.755,120.765
  Mid-Layer 2 w0.2: v1(69.24,136.119) 69.24,147.752 v1(69.85,148.361)
  Mid-Layer 3 w0.2: v1(50.648,136.093) 52.391,137.837 67.522,137.837 v1(69.24,136.119)
CAN_BUS.CANH_1: J1.1 P10.7 R97.2 TP6.1 U21.7 | length 219.6
  Top Layer w0.21: v1(102.237,71.145) 97.612,71.145 92.634,66.167 92.634,43.764 98.933,37.465 106.299,37.465 108.483,39.649 112.547,39.649 114.427,37.77 J1.1@114.427,31.115
  Top Layer w0.3: U21.7@92.155,123.305 93.79,123.305 94.183,123.698 94.183,124.744 94.973,125.533 R97.2@95.885,125.533 97.581,125.533 v1(97.587,125.527) ; v1(102.237,71.145) 103.025,70.358 TP6.1@105.283,70.358
  Mid-Layer 2 w0.21: v1(97.587,125.527) 94.361,125.527 87.376,118.542 87.376,78.08 94.306,71.15 102.233,71.15 v1(102.237,71.145)
  Mid-Layer 3 w0.15: v1(92.075,116.84) 105.435,116.84 108.437,113.838 146.248,113.838 147.695,115.285 P10.7@149.4,115.285
  Bottom Layer w0.15: v1(92.075,116.84) 93.853,116.84 96.672,119.659 96.672,124.612 v1(97.587,125.527)
CAN_BUS.CANL_1: J1.2 P10.8 R99.1 TP7.1 U21.6 | length 217.7
  Top Layer w0.15: v1(111.709,37.211) 111.735,37.186 111.735,35.585 111.887,35.433 J1.2@111.887,31.115
  Top Layer w0.21: v1(102.159,68.436) 102.159,69.723 101.096,70.785 97.761,70.785 92.994,66.018 92.994,43.913 99.082,37.825 106.15,37.825 108.334,40.009 111.333,40.009 v1(111.709,40.386)
  Top Layer w0.3: v1(89.56,122.301) 90.5,122.301 90.766,122.035 U21.6@92.155,122.035 93.943,122.035 v1(93.955,122.047) ; v1(98.527,119.405) 98.552,119.431 R99.1@98.552,120.708 ; v1(102.159,68.436) 102.159,66.954 103.974,65.139 TP7.1@105.283,65.139
  Mid-Layer 2 w0.21: v1@89.535,122.301 89.535,121.337 86.995,118.797 86.995,77.927 94.132,70.79 101.302,70.79 102.159,69.933 v1(102.159,68.436) ; v1(93.955,122.047) 96.596,119.405 v1(98.527,119.405) ; v1(111.709,40.386) v1@111.709,40.389
  Mid-Layer 2 w0.3: v1@89.535,122.301 v1(89.56,122.301) ; v1(111.709,37.211) v1(111.709,40.386)
  Mid-Layer 3 w0.15: v1(91.11,116.434) 91.927,115.616 105.694,115.616 107.772,113.538 146.228,113.538 147.481,112.285 P10.8@149.4,112.285
  Bottom Layer w0.15: v1(91.11,116.434) 91.253,116.29 93.727,116.29 96.885,119.447 98.485,119.447 v1(98.527,119.405)
CTREF: P2.A14 R41.1 | length 19
  Top Layer w0.25: R41.1@32.684,90.221 32.684,91.245 33.488,92.05 36.901,92.05 43.307,98.455 43.307,100.965 43.052,101.22 P2.A14@43.052,102.71
DPX_AUX_N: J10.17 P2.B99 Q22.4 | length 123.2
  Top Layer w0.21: J10.17@14.367,67.436 15.694,67.436 15.94,67.191 19.406,67.191 19.787,67.572 19.787,69.266 v1(19.274,69.778) Q22.4@19.274,70.871 ; P2.B99@85.552,108.11 85.552,109.012 85.457,109.107 85.457,110.78 v1(85.907,111.23)
  Bottom Layer w0.21: v1(19.274,69.778) 19.274,70.235 19.819,70.78 19.819,71.625 20.411,72.217 26.974,72.217 33.884,79.126 33.884,89.968 43.942,100.026 43.942,110.827 57.326,124.21 70.888,124.21 76.404,118.694 82.958,118.694 85.425,116.227 85.425,111.712 v1(85.907,111.23)
DPX_AUX_P: J10.15 P2.B98 Q22.5 | length 123.2
  Top Layer w0.21: J10.15@14.367,66.436 15.694,66.436 16.089,66.831 19.555,66.831 20.147,67.423 20.147,69.249 v1(20.574,69.677) Q22.5@20.574,70.871 ; v1(84.582,111.227) 85.052,110.757 P2.B98@85.052,108.11
  Bottom Layer w0.21: v1(20.574,69.677) 20.574,70.413 20.179,70.808 20.179,71.476 20.56,71.857 25.844,71.857 25.844,71.567 26.354,71.567 26.354,71.857 27.123,71.857 34.244,78.977 34.244,89.819 44.302,99.877 44.302,110.678 57.475,123.85 70.739,123.85 76.255,118.334 82.808,118.334 85.065,116.078 85.065,111.709 v1(84.582,111.227)
DPX_AUX_SEL: J10.13 P2.B95 R101.2 | length 138.6
  Top Layer w0.15: R101.2@11.881,45.977 10.792,45.977 10.46,46.309 10.46,49.502 9.167,50.795 6.122,50.795 3.175,53.742 3.175,58.471 10.14,65.436 J10.13@14.367,65.436 v1(19.449,65.436) v1@19.455,65.43 ; v1(83.541,106.68) 83.552,106.691 P2.B95@83.552,108.11
  Mid-Layer 2 w0.15: v1(19.449,65.436) 19.449,66.744 21.505,68.8 21.505,74.001 22.073,74.569 22.073,99.035 22.606,99.568 24.74,99.568 v1(25.476,100.305)
  Mid-Layer 3 w0.15: v1(25.476,100.305) 26.899,100.305 30.378,103.784 40.483,103.784 41.245,104.546 58.522,104.546 58.725,104.343 81.204,104.343 v1(83.541,106.68)
DPX_HDP: P2.B89 U22.4 | length 59.5
  Top Layer w0.2: v1(40.259,112.191) 41.479,113.411 45.593,113.411 48.793,116.611 48.793,119.075 48.377,119.492 U22.4@47.621,119.492 ; v1(79.146,106.553) 79.705,106.553 80.552,107.4 P2.B89@80.552,108.11
  Mid-Layer 3 w0.2: v1(40.259,112.191) 40.157,112.09 40.157,109.626 41.961,107.823 77.876,107.823 v1(79.146,106.553)
DPX_LANE0_N: C68.2 P2.B72 | length 12.7
  Top Layer w0.21: C68.2@65.703,116.713 66.508,116.713 68.178,115.043 68.178,112.353 69.406,111.125 71.19,111.125 72.052,110.263 P2.B72@72.052,108.11